# Altium PCB MKII.PcbDoc (continued)
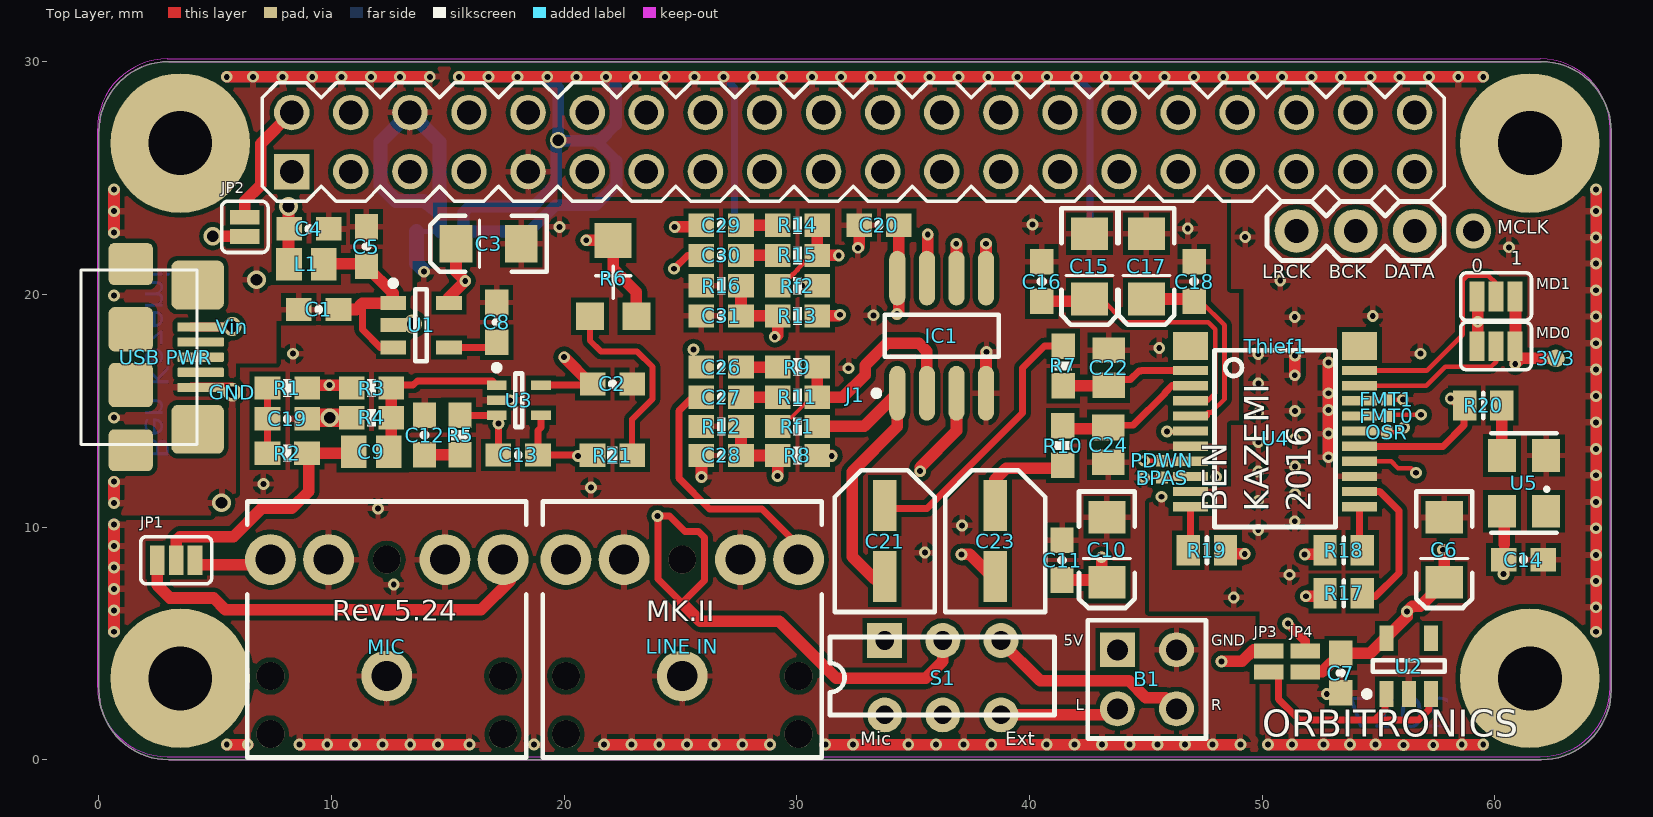
[diagram p0: Top Layer view]
## Part data (continued)
BPAS FMT0 FMT1 OSR PDWN: library part TEST-POINT2
C1 C2 C4 C5 C7 C8 C11 C12 C13 C14 C16 C18 C19 C20 C26 C27 C28 C29 C30 C31: library part 0.1UF-25V-5%(0603)
C3 C6 C10 C15 C17: library part CAP_POL1206, "Capacitor PolarizedThese are standard SMD and PTH capacitors. Normally 10uF, 47uF, and 100uF in electrolytic and tantalum varieties. Always verify the external diameter of the through hole cap, it varies with capacity, voltage, and manufacturer. The EIA devices should be standard."
C9 C22 C24: library part CAP0805
C21 C23: library part CAP_POLC, "Capacitor PolarizedThese are standard SMD and PTH capacitors. Normally 10uF, 47uF, and 100uF in electrolytic and tantalum varieties. Always verify the external diameter of the through hole cap, it varies with capacity, voltage, and manufacturer. The EIA devices should be standard."
IC1: library part OPAMP-DUALU
JP1 MD0 MD1: library part JUMPER-PAD-3-2OF3_NC_BY_PASTE
JP2: library part JUMPER-PAD-2-NC_BY_PASTEFULL-BOX-SILK
JP3 JP4 JP5 JP6 JP7 JP8 JP9 JP10: library part JUMPER-PAD-2-NO
L1: library part INDUCTOR0805, "Inductors   Basic Inductor/Choke - 0603 and 1206. Footprints are not proven and vary greatly between part numbers. INDUCTOR POWER 3.3UH 4.0A SMD 0.197\" L x 0.197\" W x 0.177\" H (5.00mm x 5.00mm x 4.50mm)"
"LINE IN" MIC: library part AUDIO-JACK2PTH
"LRCK   BCK   DATA": library part M03PTH
MCLK: library part TEST-POINT3X5, "TEST-POINT3X5"
R1 R2: library part 2.0KOHM1/10W5%(0603)
R3 R4 R7 R8 R9 R10 R11 R12 R13 R14 R15 R16 Rf1 Rf2: library part RESISTOR0603, "ResistorBasic schematic elements and footprints for 0603, 1206, and PTH resistors."
R5 R21: library part RESISTOR0603-RES
R6: library part RPot, "Potentiometer"
R17 R18 R19 R20: library part RESISTOR0805-RES
S1: library part SWITCH-DPDTPTH1
Thief1: library part "Solder Thief SOP"
U1: library part TPS793475DBVR, "Single Output High PSRR LDO, 200 mA, Fixed 4.75 V Output, 2.7 to 5.5 V Input, 5-pin SOT-23 (DBV), -40 to 85 degC, Green (RoHS & no Sb/Br)"
U2: library part MIC52053.3V
U3: library part OPA344, "Single gate rail-to-rail output op-amp. Inputs extend 300mV past rails."
U4: library part PCM1803SMD, "24-bit ADC"
U5: library part OSCILLATORSMD6
"USB PWR": library part MicroUSB-HRS-ZX62-AB-5PA

## Via types
v1: diameter 0.508, hole 0.254, Top Layer to Bottom Layer, tented both sides, 203 vias
v2: diameter 0.8, hole 0.5, Top Layer to Bottom Layer, tented both sides, 6 vias
v3: diameter 0.8, hole 0.5, Top Layer to Bottom Layer, tented bottom, 2 vias
v4: diameter 0.711, hole 0.508, Top Layer to Bottom Layer, tented both sides, 1 vias
v5: diameter 0.457, hole 0.254, Top Layer to Bottom Layer, tented both sides, 1 vias
v6: diameter 1.5, hole 0.9, Top Layer to Bottom Layer, 1 vias

## Nets (pads, with @x,y where several pads share a name; then routed paths per layer and width w, separated by ;. In a path a pad name is that pad's centre, name@x,y a point inside that pad or via, vN(x,y) a via of type N, cw(c..) or ccw(c..) an arc to the next point about the centre after c; other vN are vias at no path point)
3V3: 3V3.P$1 C6.A C7.1 C14.1 FMT0.P$1 JP4.1 MD0.3 MD1.1 U2.5 U4.14 U4.17 U5.4 | length 21.4
  Top Layer w0.2: U4.14 55.537,12.825 55.837,12.525 56.411,12.525 v1(56.605,12.331) ; U4.17 FMT0.P$1 ; FMT0.P$1 55.35,14.832 56.818,14.832 v1(56.825,14.825)
  Top Layer w0.5: JP4.1 52.584,3.775 53.384,4.575 54.65,4.575 56.225,6.15 v1(56.225,6.375) 56.45,6.6 56.8,6.6 C6.A 57.825,8.975 v1(57.775,9.025) ; U5.4 60.4,10.575 60.4,9.25 ; v1(60.375,7.975) C14.1@60.375,8.9 ; v1(60.875,17) v1@60.888,17.013 ; MD1.1@60.888,19.733 v1@60.888,17.013 ; 3V3.P$1 61.125,17.25 v1@60.888,17.013
5V: B1.1 C2.1 C3.A C10.A C11.1 C20.1 IC1.8 JP3.2 PDWN.P$1 R1.1 R3.2 R8.2 R13.2 U1.5 U3.5 U4.5 U4.7 | length 22.2
  Top Layer w0.2: v1(44.925,12.85) PDWN.P$1 U4.7@46.9,12.85 ; v1(45.902,14.101) U4.5@46.655,14.101
  Top Layer w0.3: R1.1@8.949,16.078 R1.1@8.968,16.096 ; U3.5 21.17,16.1 C2.1
  Top Layer w0.5: R1.1@8.968,16.096 v1(9.906,16.096) R3.2@10.876,16.096 ; U1.5 15.05,19.875 v1(15.75,20.575) 15.35,20.975 C3.A ; v1(20,17.3) 21.15,16.15 C2.1 ; R8.2 v1@31.5,13.075 ; R13.2 v1@31.775,19.075 ; v1(34.3,19.15) 34.375,19.225 C20.1 ; C11.1 43.225,7.725 43.325,7.825 43.1,8.05 v1(43.1,8.7) ; v1(48.25,4.225) 49.132,4.225 49.632,4.725 JP3.2@50.275,4.725
  other v1: 31.5,13.05 31.85,19.125
AGND: "LINE IN.RSH" "LINE IN.SLEEVE" "LINE IN.TSH" "Vin - A GND TIE.1" B1.3 BPAS.P$1 C2.2 C3.C C8.2 C10.C C11.2 C12.2 C15.C C16.2 C17.C C18.2 C19.2 C20.2 C22.2 C24.2 C28.2 C31.2 IC1.4 JP5.1 JP6.1 JP7.1 JP8.1 JP9.1 JP10.1 MIC.RSH MIC.SLEEVE MIC.TSH R4.1 R12.1 R16.1 U3.2 U4.6 U4.8 | length 166.1
  Top Layer w0.2: v1(44.925,12.125) BPAS.P$1@45.65,12.125 ; BPAS.P$1 U4.8@46.875,12.125
  Top Layer w0.3: U3.2 v1(17.675,15.45)
  Top Layer w0.5: v1(0.65,5.5) v1@0.65,6.2 ; v1(0.65,10.107) v1(0.65,9.186) v1(0.65,8.264) 0.65,7.879 ; v1(5.5,0.65) v1(6.4,0.65) ; v1(8.628,0.65) v1(9.818,0.65) v1(11.007,0.65) v1(12.196,0.65) v1(13.385,0.65) v1(14.574,0.65) v1@15.764,0.65 ; v1(21.71,0.65) v1(22.899,0.65) v1(24.088,0.65) v1(25.277,0.65) v1(26.466,0.65) v1(27.656,0.65) v1(28.845,0.65) ; v1(25.9,12.15) C28.2 ; v1(31.223,0.65) v1(32.412,0.65) 33.602,0.65 v1(34.791,0.65) v1(35.98,0.65) v1(37.169,0.65) v1(38.358,0.65) 39.548,0.65 v1(40.737,0.65) v1(41.926,0.65) v1(43.115,0.65) v1(44.304,0.65) v1(45.494,0.65) v1(46.683,0.65) v1(47.872,0.65) v1(49.061,0.65) ; v1(32.625,22) 32.675,22.05 C20.2 ; IC1.4 38.13,17.505 v1(38.15,17.525) ; v1@0.65,6.2 0.65,7.039 ; v1@0.65,6.2 v1(0.65,6.421) 0.65,7.039 ; 0.65,7.039 0.65,7.879 ; 0.65,7.039 v1(0.65,7.343) 0.65,7.879
  Top Layer w0.8: C19.2@8.949,14.702 R4.1
  Layer 2 w0.5: v1(0.65,5.5) 0.65,6.2 0.65,7.039 0.65,7.879 v1(0.65,8.264) v1(0.65,9.186) v1(0.65,10.107) ; v1(5.5,0.65) v1(6.4,0.65) ; v1@8.653,0.625 v1@15.925,0.625 ; v1(21.71,0.65) v1(22.899,0.65) v1(24.088,0.65) v1(25.277,0.65) v1(26.466,0.65) v1(27.656,0.65) v1(28.845,0.65) ; v1(31.223,0.65) v1(32.412,0.65) 33.602,0.65 v1(34.791,0.65) v1(35.98,0.65) v1(37.169,0.65) v1(38.358,0.65) 39.548,0.65 v1(40.737,0.65) v1(41.926,0.65) v1(43.115,0.65) v1(44.304,0.65) v1(45.494,0.65) v1(46.683,0.65) v1(47.872,0.65) v1(49.061,0.65)
  Layer 3 w0.5: v1(0.65,5.5) v1@0.65,6.2 ; v1(0.65,10.107) v1(0.65,9.186) v1(0.65,8.264) ; v1(5.5,0.65) v1(6.4,0.65) ; v1@8.653,0.625 v1@15.925,0.625 ; v1@21.623,0.65 v1(21.71,0.65) v1(22.899,0.65) v1(24.088,0.65) v1(25.277,0.65) v1(26.466,0.65) v1(27.656,0.65) v1(28.845,0.65) ; v1(31.223,0.65) v1(32.412,0.65) 33.602,0.65 v1(34.791,0.65) v1(35.98,0.65) v1(37.169,0.65) v1(38.358,0.65) 39.548,0.65 v1(40.737,0.65) v1(41.926,0.65) v1(43.115,0.65) v1(44.304,0.65) v1(45.494,0.65) v1(46.683,0.65) v1(47.872,0.65) v1(49.061,0.65) ; v1@0.65,6.2 0.65,7.039 ; v1@0.65,6.2 v1(0.65,6.421) 0.65,7.039 ; 0.65,7.039 v1(0.65,8.264) ; 0.65,7.039 v1(0.65,7.343) v1(0.65,8.264)
  Bottom Layer w0.5: v1(0.65,5.5) v1@0.65,6.2 ; v1(0.65,10.107) v1(0.65,9.186) v1(0.65,8.264) 0.65,7.879 ; v1(5.5,0.65) v1(6.4,0.65) ; v1(8.628,0.65) v1(9.818,0.65) v1(11.007,0.65) v1(12.196,0.65) v1(13.385,0.65) v1(14.574,0.65) v1@15.764,0.65 ; v1(21.71,0.65) v1(22.899,0.65) v1(24.088,0.65) v1(25.277,0.65) v1(26.466,0.65) v1(27.656,0.65) v1(28.845,0.65) ; v1(31.223,0.65) v1(32.412,0.65) 33.602,0.65 v1(34.791,0.65) v1(35.98,0.65) v1(37.169,0.65) v1(38.358,0.65) 39.548,0.65 v1(40.737,0.65) v1(41.926,0.65) v1(43.115,0.65) v1(44.304,0.65) v1(45.494,0.65) v1(46.683,0.65) v1(47.872,0.65) v1(49.061,0.65) ; v1@0.65,6.2 0.65,7.039 ; v1@0.65,6.2 v1(0.65,6.421) 0.65,7.039 ; 0.65,7.039 0.65,7.879 ; 0.65,7.039 v1(0.65,7.343) 0.65,7.879
  Bottom Layer w0.635: 13.658,22.7 13.658,21.342 v1@13.925,21.075
  other v1: 15.925,0.65 18.7,0.65 12.675,7.525 35.5,8.9 37.102,10.073 12,10.8 21.15,11.7 7.075,11.85 48.025,12.15 32.225,16.825 8.35,17.45 45.575,17.7 33.3,19.1 13.975,20.975 46.8,22.825 19.8,22.9 40.125,23
  other v2: 9.931,14.702
AUDIOIN_L_LINE: "LINE IN.TIP" C27.1 | length 11.1
  Top Layer w0.3: C27.1 25.506,15.575 24.925,14.994 24.925,12.1 26.25,10.775 28.501,10.775 30.075,9.201 30.075,8.6
AUDIOIN_R_LINE: "LINE IN.RING" C30.1 | length 16.7
  Top Layer w0.3: v1(24.725,21.1) 25.3,21.675 C30.1
  Layer 3 w0.5: 20.075,8.6 20.075,10.498 20.57,10.993 21.443,10.993 21.857,11.407 21.857,18.907 24.05,21.1 v1(24.725,21.1)
BCK: "LRCK   BCK   DATA.2" J1.12 R18.2 | length 52.6
  Top Layer w0.5: v1(51.825,8.825) R18.2@52.6,8.825
  Layer 3 w0.3: J1.12 22.23,26.575 51.837,26.575 52.8,25.612 52.8,24.5 54.015,23.285 54.015,22.725 50.7,19.41 50.7,9.95 v1(51.825,8.825)
"DAUGHTER LEFT": B1.2 S1.6 | length 5.1
  Top Layer w0.5: S1.6 43.515,1.925 B1.2
"DAUGHTER RIGHT": B1.4 S1.3 | length 8.8
  Top Layer w0.5: S1.3 38.775,5.075 40.462,3.388 44.273,3.388 44.996,2.666 45.834,2.666 B1.4
DGND: "DGND - VinGnd TIE.1" C6.C C7.2 C14.2 FMT1.P$1 JP6.2 JP7.2 JP9.2 JP10.2 MD0.1 MD1.3 OSR.P$1 U2.2 U4.9 U4.13 U4.16 U4.18 U5.2 | length 365.3
  Top Layer w0.2: v1(45.675,11.3) v1@45.7,11.325 ; U4.16 54.225,14.075 OSR.P$1 55.9,14.075 v1(56.1,14.275) ; U4.18@54.225,15.475 v1(56.05,15.475)
  Top Layer w0.3: U4.18 U4.18@54.225,15.475
  Top Layer w0.5: v1(15.475,29.35) v1(16.75,29.35) v1(18,29.35) v1(19.275,29.35) v1(20.525,29.35) v1(21.8,29.35) v1(23.05,29.35) v1(24.325,29.35) v1(25.6,29.35) v1(26.85,29.35) v1(28.125,29.35) v1(29.375,29.35) v1(30.65,29.35) v1(31.9,29.35) v1(33.175,29.35) v1(34.425,29.35) v1(35.7,29.35) v1(36.95,29.35) v1(38.225,29.35) v1(39.475,29.35) v1(40.75,29.35) v1(42.025,29.35) v1(43.275,29.35) v1(44.55,29.35) v1(45.8,29.35) v1(47.075,29.35) v1(48.325,29.35) v1(49.6,29.35) v1(50.85,29.35) v1(52.125,29.35) v1(53.375,29.35) v1(54.65,29.35) v1(55.9,29.35) v1(57.175,29.35) v1(58.425,29.35) v1(59.5,29.35) ; v1(50.25,0.65) 51.44,0.65 v1(52.629,0.65) v1(53.775,0.65) v1(54.875,0.65) v1(58.575,0.65) v1(59.5,0.65) ; v1@51.404,16.529 v1(51.404,17.375) ; v1(52.85,13) v1(52.85,17.075) ; MD0.1@59.262,17.604 MD1.3@59.262,19.908 ; v1(64.35,5.5) v1(64.35,6.55) v1(64.35,7.675) v1(64.35,8.8) v1(64.35,9.95) v1(64.35,11.075) v1(64.35,12.225) v1(64.35,13.35) v1(64.35,14.5) v1(64.35,15.625) v1(64.35,16.775) v1(64.35,17.9) v1(64.35,19.05) v1(64.35,20.175) v1(64.35,21.325) v1(64.35,22.45) v1(64.35,23.575) v1(64.35,24.5)
  Layer 2 w0.5: v1(15.475,29.35) v1(16.75,29.35) v1(18,29.35) v1(19.275,29.35) v1(20.525,29.35) v1(21.8,29.35) v1(23.05,29.35) v1(24.325,29.35) v1(25.6,29.35) v1(26.85,29.35) v1(28.125,29.35) v1(29.375,29.35) v1(30.65,29.35) v1(31.9,29.35) v1(33.175,29.35) v1(34.425,29.35) v1(35.7,29.35) v1(36.95,29.35) v1(38.225,29.35) v1(39.475,29.35) v1(40.75,29.35) v1(42.025,29.35) v1(43.275,29.35) v1(44.55,29.35) v1(45.8,29.35) v1(47.075,29.35) v1(48.325,29.35) v1(49.6,29.35) v1(50.85,29.35) v1(52.125,29.35) v1(53.375,29.35) v1(54.65,29.35) v1(55.9,29.35) v1(57.175,29.35) v1(58.425,29.35) v1(59.5,29.35) ; v1(50.25,0.65) 51.44,0.65 v1(52.629,0.65) 53.818,0.65 55.007,0.65 56.197,0.65 57.386,0.65 v1(58.575,0.65) v1(59.5,0.65) ; v1@51.404,16.529 v1(51.404,17.375) ; v1(52.85,13) v1(52.85,15.75) ; v1(64.35,5.5) v1(64.35,6.55) v1(64.35,7.675) v1(64.35,8.8) v1(64.35,9.95) v1(64.35,11.075) v1(64.35,12.225) v1(64.35,13.35) v1(64.35,14.5) v1(64.35,15.625) v1(64.35,16.775) v1(64.35,17.9) v1(64.35,19.05) v1(64.35,20.175) v1(64.35,21.325) v1(64.35,22.45) v1(64.35,23.575) v1(64.35,24.5)
  Layer 3 w0.5: v1(15.475,29.35) v1(16.75,29.35) v1(18,29.35) v1(19.275,29.35) v1(20.525,29.35) v1(21.8,29.35) v1(23.05,29.35) v1(24.325,29.35) v1(25.6,29.35) v1(26.85,29.35) v1(28.125,29.35) v1(29.375,29.35) v1(30.65,29.35) v1(31.9,29.35) v1(33.175,29.35) v1(34.425,29.35) v1(35.7,29.35) v1(36.95,29.35) v1(38.225,29.35) v1(39.475,29.35) v1(40.75,29.35) v1(42.025,29.35) v1(43.275,29.35) v1(44.55,29.35) v1(45.8,29.35) v1(47.075,29.35) v1(48.325,29.35) v1(49.6,29.35) v1(50.85,29.35) v1(52.125,29.35) v1(53.375,29.35) v1(54.65,29.35) v1(55.9,29.35) v1(57.175,29.35) v1(58.425,29.35) v1(59.5,29.35) ; v1@49.85,9.875 v1@49.85,17.425 ; v1(50.25,0.65) 51.44,0.65 v1(52.629,0.65) 53.818,0.65 55.007,0.65 56.197,0.65 57.386,0.65 v1(58.575,0.65) v1(59.5,0.65) ; v1(51.4,10.25) v1(51.4,19.025) ; v1(52.85,13) v1(52.85,17.075) ; v1(64.35,5.5) v1(64.35,6.55) v1(64.35,7.675) v1(64.35,8.8) v1(64.35,9.95) v1(64.35,11.075) v1(64.35,12.225) v1(64.35,13.35) v1(64.35,14.5) v1(64.35,15.625) v1(64.35,16.775) v1(64.35,17.9) v1(64.35,19.05) v1(64.35,20.175) v1(64.35,21.325) v1(64.35,22.45) v1(64.35,23.575) v1(64.35,24.5)
  Bottom Layer w0.3: v1(26.85,29.35) 27.33,28.87 JP9.2 ; v1(42.025,29.35) 42.596,28.779 JP10.2
  Bottom Layer w0.5: v1(15.475,29.35) v1(16.75,29.35) v1(18,29.35) v1(19.275,29.35) ; v4@19.665,26.544 19.665,25.89 19.665,24.772 18.669,23.775 15.925,23.775 15.674,23.524 15.674,22.7 18.5,22.7 19.625,23.825 21.35,23.825 22.25,24.725 22.25,25.734 21.434,26.55 21.384,26.6 ; v1(50.25,0.65) 51.44,0.65 v1(52.629,0.65) 53.818,0.65 55.007,0.65 56.197,0.65 57.386,0.65 v1(58.575,0.65) v1(59.5,0.65) ; v1@51.404,16.529 v1(51.404,17.375) ; v1(52.85,13) v1(52.85,15.75) ; v1(59.5,29.35) v1(58.425,29.35) v1(57.175,29.35) v1(55.9,29.35) v1(54.65,29.35) v1(53.375,29.35) v1(52.125,29.35) v1(50.85,29.35) v1(49.6,29.35) v1(48.325,29.35) v1(47.075,29.35) v1(45.8,29.35) v1(44.55,29.35) v1(43.275,29.35) v1(42.025,29.35) v1(40.75,29.35) v1(39.475,29.35) v1(38.225,29.35) v1(36.95,29.35) v1(35.7,29.35) v1(34.425,29.35) v1(33.175,29.35) v1(31.9,29.35) v1(30.65,29.35) v1(29.375,29.35) v1(28.125,29.35) v1(26.85,29.35) v1(25.6,29.35) v1(24.325,29.35) v1(23.05,29.35) v1(21.8,29.35) ; v1(64.35,5.5) v1(64.35,6.55) v1(64.35,7.675) v1(64.35,8.8) v1(64.35,9.95) v1(64.35,11.075) v1(64.35,12.225) v1(64.35,13.35) v1(64.35,14.5) v1(64.35,15.625) v1(64.35,16.775) v1(64.35,17.9) v1(64.35,19.05) v1(64.35,20.175) v1(64.35,21.325) v1(64.35,22.45) v1(64.35,23.575) v1(64.35,24.5) ; v1(19.275,29.35) 19.747,28.878 v4(19.747,26.625) 19.772,26.6 21.384,26.6 ; v1(19.275,29.35) v1(20.525,29.35) v1(21.8,29.35) ; 21.384,26.6 21.525,26.6 22.225,27.3 22.225,28.925 v1(21.8,29.35)
  other v1: 56.075,0.625 57.35,0.625 51.275,0.65 52.775,2.825 48.775,6.975 51.175,7.95 49.829,9.875 49.833,11.129 51.404,11.413 49.833,12.388 51.404,12.606 49.833,13.646 51.404,13.798 52.846,14.015 49.833,14.904 51.404,14.99 52.846,15.033 49.833,16.163 51.4,16.525 49.829,17.425 56.8,17.45 59.262,18.821 54.75,19.075 50.775,20.6 60.604,22.022 49.268,22.464
DOUT: "LRCK   BCK   DATA.3" J1.38 R17.2 | length 28.3
  Top Layer w0.5: v1(51.875,7.025) R17.2@52.625,7.025
  Layer 3 w0.3: v1(51.875,7.025) 53.175,8.325 53.175,9.85 52.175,10.85 52.175,18.64 54.035,20.5 55.15,20.5 56.555,21.905 56.555,23.02 57.775,24.24 57.775,26.15 57.4,26.525 55.3,26.525 J1.38
"DPDT OUT LEFT": C26.1 S1.5 | length 23.7
  Layer 3 w0.5: v1(25.558,17.625) 25.558,15.417 27.2,13.775 27.2,11.6 27.925,10.875 31.7,10.875 36.247,6.328 36.773,6.328 37.478,5.623 37.478,4.627 36.275,3.423 S1.5
"DPDT OUT RIGHT": C29.1 S1.2 | length 39.1
  Top Layer w0.3: v1(24.012,10.477) 24.522,10.477 25.199,9.8 25.775,9.8 26.028,9.547 26.028,7.703 25.1,6.775 25.1,6.7 24.025,7.775 24.025,9.725 v1@24.025,10.464
  Top Layer w0.5: v1(24.75,22.9) 25.825,22.9 C29.1 ; 25.1,6.7 25.85,5.95 29.25,5.95 31.7,3.5 35.541,3.5 36.275,4.234 S1.2
  Layer 3 w0.5: v1(24.012,10.477) 24.012,17.962 26.45,20.4 26.45,21.625 25.175,22.9 v1(24.75,22.9)
INTO_BPF_L: C21.- IC1.1 Rf1.1 | length 13.6
  Top Layer w0.5: Rf1.1 32.895,14.325 IC1.1 34.32,14.32 32.375,12.375 32.375,8.722 33.346,7.751 C21.-@33.75,7.751
INTO_BPF_R: C23.- IC1.7 Rf2.1 | length 32.6
  Top Layer w0.5: v5(30.225,20.375) Rf2.1 ; IC1.7 35.625,20.735 v1(35.625,22.575) ; v1(37.075,8.825) 37.426,8.825 C23.-@38.5,7.751
  Layer 3 w0.5: v1(35.625,22.575) 35.473,22.727 31.23,22.727 30.151,21.649 30.151,20.376 28.951,20.376 27.881,19.306 27.881,16.45 29.731,14.6 35.95,14.6 36.775,13.775 36.775,11.125 36.395,10.745 36.395,9.505 v1(37.075,8.825)
LRCK: "LRCK   BCK   DATA.1" J1.35 R19.2 | length 18.2
  Top Layer w0.5: R19.2@48.525,8.85 v1(49.25,8.85)
  Layer 3 w0.3: v1(49.25,8.85) 49.05,9.05 49.05,20.3 51.475,22.725 51.475,25.27 J1.35
MAX_IN+: C9.2 R3.1 R4.2 U3.1 | length 7.5
  Top Layer w0.3: R3.1@12.576,16.03 12.646,16.1 13.51,16.1 13.688,16.278 16.922,16.278 U3.1
  Top Layer w0.5: C9.2@12.509,13.331 12.576,13.397 12.576,16.03 R3.1@12.576,16.096
MAX_IN-: C13.1 R5.1 R6.2 R6.3 U3.3 | length 17.7
  Top Layer w0.3: R5.1 U3.3 17.175,14.725 C13.1
  Top Layer w0.5: v1(20.95,22.325) 22.059,22.325 22.104,22.279 22.104,21.096 23.1,20.1 23.1,19.064 R6.3
  Layer 3 w0.5: v1(17.175,14.45) 16.95,14.675 16.95,17.785 20.95,21.785 v1(20.95,22.325)
MAX_OUT: C13.2 R21.2 S1.1 S1.4 U3.4 | length 46.5
  Top Layer w0.3: U3.4 19,14.276 18.872,14.148 18.872,13.103 C13.2 R21.2@21.426,13.1
  Layer 3 w0.3: 13.328,6.947 13.328,10.278 12.603,9.553 11.98,9.553 11.422,8.995 11.422,7.919 12.541,6.8 13.475,6.8
  Layer 3 w0.5: 13.328,6.947 14.55,5.725 33.175,5.725 S1.1 ; 13.328,10.203 14.15,11.025 18.574,11.025 v1(20.599,13.05)
  Layer 3 w1: S1.4 S1.1
MD0: MD0.2 U4.19 | length 7
  Top Layer w0.2: U4.19 57.048,16.075 57.864,16.89 59.832,16.89 60.05,17.108 MD0.2
MD1: MD1.2 U4.20 | length 9.8
  Top Layer w0.2: U4.20 57.075,16.725 58.617,18.267 58.617,20.598 ; 58.617,20.598 58.815,20.796 59.723,20.796 60.05,20.468 MD1.2
  Top Layer w0.3: MD1.2@60.075,19.733 MD1.2@60.075,19.908
MIC_A: C9.1 JP1.2 R2.2 | length 11.1
  Top Layer w0.5: JP1.2@3.325,8.375 3.325,9.425 3.487,9.587 5.787,9.587 7,10.8 8.3,10.8 9.025,11.525 9.025,13.175 C9.1@10.854,13.175
NetC1_1: C1.1 C5.1 L1.2 U1.1 U1.3 | length 8.6
  Top Layer w0.3: 11.325,19.625 11.325,18.495 12.095,17.725 U1.3@12.375,17.725
  Top Layer w0.5: L1.2@9.875,21.323 11.402,21.323 C5.1@11.5,21.225 ; C1.1 11.059,19.35 11.33,19.62 12.37,19.62 U1.1@12.512,19.762 ; C5.1 12.65,20.05 U1.1
NetC8_1: C8.1 U1.4 | length 2.1
  Top Layer w0.3: U1.4 16.875,17.725 C8.1
NetC12_1: C12.1 R5.2 | length 1.5
  Top Layer w0.5: C12.1 R5.2
NetC15_A: C15.A C16.1 U4.3 | length 11.7
  Top Layer w0.2: C15.A 43.096,19.8 44.099,18.797 47.682,18.797 47.978,18.501 47.978,15.749 47.654,15.425 U4.3
  Top Layer w0.5: C16.1@40.675,19.7 C15.A@42.475,19.7
NetC17_A: C17.A C18.1 U4.4 | length 8.7
  Top Layer w0.2: U4.4 47.654,14.775 47.654,14.922 47.801,14.922 48.381,15.503 48.381,18.668 47.349,19.7 C18.1 C18.1@46.925,19.7
  Top Layer w0.5: C17.A C18.1@46.825,19.8
NetC19_1: C19.1 R1.2 R2.1 | length 2.9
  Top Layer w0.3: R2.1 7.25,14.702 R1.2@7.25,16.078
NetC21_+: C21.+ R7.1 | length 12.1
  Top Layer w0.3: C21.+@33.75,10.799 35.599,10.799 39.7,14.9 39.7,16.834 40.641,17.775 R7.1@41.8,17.775
NetC23_+: C23.+ R10.1 | length 4.4
  Top Layer w0.5: C23.+@38.5,10.799 38.5,11.5 38.5,12.025 39,12.525 R10.1@41.425,12.525
NetC26_2: C26.2 R9.2 | length 1.6
  Top Layer w0.5: C26.2 R9.2
NetC27_2: C27.2 R11.2 | length 1.6
  Top Layer w0.5: C27.2 R11.2
NetC28_1: C28.1 IC1.3 R8.1 R12.2 | length 13.9
  Top Layer w0.5: R12.2 C28.1 R8.1 v1(29.175,12.2) ; v1(35.3,12.4) 35.3,12.575 36.86,14.135 IC1.3
  Layer 3 w0.5: v1(29.175,12.2) 35.1,12.2 v1(35.3,12.4)
NetC29_2: C29.2 R14.2 | length 1.6
  Top Layer w0.5: C29.2 R14.2
NetC30_2: C30.2 R15.2 | length 1.6
  Top Layer w0.5: C30.2 R15.2
NetC31_1: C31.1 IC1.5 R13.1 R16.2 | length 16.1
  Top Layer w0.5: R16.2 C31.1 R13.1 v1@29.175,18.25 ; IC1.5 v1@38.13,22.17
  Layer 3 w0.5: v1@29.175,18.25 34.809,18.25 38.125,21.566 v1(38.125,22.175)
  other v1: 29.05,18.175
NetIC1_2: IC1.2 R9.1 R11.1 Rf1.2 | length 11.4
  Top Layer w0.152: Rf1.2 29.37,14.325 30.005,14.959 30.005,14.962 30.618,15.575 R11.1
  Top Layer w0.5: R9.1 R11.1 31.975,15.575 32.932,16.532 32.932,16.957 33.875,17.9 35.25,17.9 35.59,17.56 IC1.2
NetIC1_6: IC1.6 R14.1 R15.1 Rf2.2 | length 12.4
  Top Layer w0.2: Rf2.2 29.198,20.375 29.198,20.583 29.526,20.583 29.815,20.872 29.851,20.872 30.028,21.049 30.028,21.085 30.618,21.675 R15.1
  Top Layer w0.5: R14.1 R15.1 v1(31.8,21.675) ; IC1.6 v1@36.86,22.165
  Layer 3 w0.5: v1(31.8,21.675) 33.1,20.375 35.05,20.375 v1(36.85,22.175)
NetJP1_1: JP1.1 MIC.TIP | length 18.1
  Top Layer w0.5: JP1.1 2.512,7.493 3.052,6.953 4.93,6.953 5.44,6.443 16.423,6.443 17.675,7.695 MIC.TIP@17.675,8.625
NetJP1_3: JP1.3 MIC.RING | length 3.6
  Top Layer w0.5: JP1.3@4.138,8.375 7.425,8.375 MIC.RING@7.675,8.625
NetJP3_1: JP3.1 U2.1 U2.3 | length 10.2
  Top Layer w0.3: JP3.1@50.7,3.825 50.7,2.6 51.6,1.7 54.825,1.7 ; U2.1@55.275,2.8 55.275,2.15 54.825,1.7 ; U2.3@57.175,2.8 57.175,2.15 56.725,1.7 54.825,1.7
NetR6_1: R6.1 R21.1 | length 8.4
  Top Layer w0.254: R6.1 21.104,18.021 21.575,17.55 23.125,17.55 23.8,16.875 23.8,15.513 22.919,14.633 R21.1
NetR17_1: R17.1 U4.12 | length 6.6
  Top Layer w0.3: U4.12 55.05,11.525 55.875,10.7 55.875,8.025 54.875,7.025 R17.1@54.425,7.025
NetR18_1: R18.1 U4.11 | length 2.1
  Top Layer w0.3: U4.11 54.175,9.05 R18.1@54.4,8.825
NetR19_1: R19.1 U4.10 | length 2.1
  Top Layer w0.3: R19.1@46.725,8.85 46.925,9.05 U4.10
NetR20_2: R20.2 U5.3 | length 1.9
  Top Layer w0.5: R20.2@60.275,14.95 60.3,14.925 U5.3
PI_3V3: J1.1 JP4.2 | length 62.6
  Top Layer w0.4: v1(51.1,5.85) 51.85,5.1 JP4.2
  Layer 3 w0.4: J1.1 8.871,25.275 10.472,23.675 47.46,23.675 47.8,23.335 47.8,23.32 47.876,23.244 47.876,13.501 47.3,12.925 47.3,7.175 48.625,5.85 v1(51.1,5.85)
PIPWR: J1.2 JP2.1 | length 5.3
  Top Layer w0.5: JP2.1 6.275,24.013 6.953,24.691 6.953,26.478 J1.2
SCK: MCLK.P$1 R20.1 U4.15 | length 13.9
  Top Layer w0.3: U4.15 54.182,13.468 57.768,13.468 58.675,14.375 58.675,14.95 58.675,14.954 v1(58.1,15.529)
  Layer 3 w0.3: v1(58.1,15.529) 58.1,21.75 v6(59.075,22.725)
V_IN: "USB PWR.1" C4.1 JP2.2 L1.1 Vin.P$1 | length 5.9
  Top Layer w0.4: 3.975,18.6 5.722,18.6 v3(5.74,18.618)
  Top Layer w0.5: v2(4.9,22.5) 6.437,22.5 JP2.2@6.462,22.475 ; v2(8.153,23.774) 8.153,21.544 L1.1@8.375,21.323
VIN_GND: "DGND - VinGnd TIE.2" "USB PWR.5" "Vin - A GND TIE.2" C1.2 C4.2 C5.2 GND.P$1 J1.6 J1.9 JP5.2 JP8.2 U1.2 | length 68.8
  Top Layer w0.3: U1.2@12.425,18.625 U1.2@12.65,18.625
  Top Layer w0.4: 3.977,16.002 GND.P$1@5.74,16.002
  Top Layer w0.5: v1@0.65,11.236 v1(0.65,11.95) ; v1(0.65,22.65) v1(0.65,23.575) v1(0.65,24.5) ; v1(5.5,29.35) v1(6.625,29.35) v1(7.9,29.35) v1(9.175,29.35) v1(10.425,29.35) v1(11.7,29.35) v1(12.95,29.35) v1(14.225,29.35) ; C5.2@11.433,22.966 C5.2 ; U1.2@12.65,18.625 12.75,18.725 v2(13.5,18.725)
  Layer 2 w0.5: v1@0.65,11.236 v1(0.65,11.95) ; v1(0.65,22.65) v1(0.65,23.575) v1(0.65,24.5) ; v1(5.5,29.35) v1(6.625,29.35) v1(7.9,29.35) v1(9.175,29.35) v1(10.425,29.35) v1(11.7,29.35) v1(12.95,29.35) v1(14.225,29.35)
  Layer 3 w0.5: v1@0.65,11.236 v1(0.65,11.95) ; v1(0.65,22.65) v1(0.65,23.575) v1(0.65,24.5) ; v1(5.5,29.35) v1(6.625,29.35) v1(7.9,29.35) v1(9.175,29.35) v1(10.425,29.35) v1(11.7,29.35) v1(12.95,29.35) v1(14.225,29.35) ; v2(6.775,20.625) 7.175,20.225 12.328,20.225 v2@13.487,19.066
  Bottom Layer w0.5: v1@0.65,11.236 v1(0.65,11.95) ; v1(0.65,22.65) v1(0.65,23.575) v1(0.65,24.5) ; v1(5.5,29.35) v1(6.625,29.35) v1(7.9,29.35) v1(9.175,29.35) v1(10.425,29.35) v1(11.7,29.35) v1(12.95,29.35) v1(14.225,29.35)
  Bottom Layer w0.6: 14.635,24.686 14.635,25.864 ; 14.642,24.061 14.642,26.543 J1.6 12.105,26.55 12.105,24.686 12.781,24.01 13.96,24.01 14.674,23.476 14.674,24.028 ; 14.674,22.7 14.674,23.306
  other v1: 0.65,11.029 0.65,14.7 0.65,19.95
  other v2: 5.275,11.05
  other v3: 5.74,15.8
VINL_B: C22.1 R7.2 U4.1 | length 5.4
  Top Layer w0.3: C22.1@43.4,15.925 43.812,16.337 44.343,16.337 44.343,16.352 44.698,16.707 44.793,16.707 44.818,16.732 46.918,16.732 U4.1
  Top Layer w0.5: R7.2@41.8,16.075 C22.1@43.325,16.075
VINR_B: C24.1 R10.2 U4.2 | length 5.7
  Top Layer w0.3: C24.1@43.375,14.375 44.45,14.375 45.822,15.747 45.822,15.771 46.125,16.075 U4.2
  Top Layer w0.5: R10.2@41.775,14.225 C24.1@43.225,14.225
pads on no net: "LINE IN.1" "USB PWR.2" "USB PWR.3" "USB PWR.4" "USB PWR.6" "USB PWR.7" "USB PWR.8" "USB PWR.9" "USB PWR.10" "USB PWR.11" J1.0 J1.3 J1.4 J1.5 J1.7 J1.8 J1.10 J1.11 J1.13 J1.14 J1.15 J1.16 J1.17 J1.18 J1.19 J1.20 J1.21 J1.22 J1.23 J1.24 J1.25 J1.26 J1.27 J1.28 J1.29 J1.30 J1.31 J1.32 J1.33 J1.34 J1.36 J1.37 J1.39 J1.40 MIC.1 Thief1.T U2.4 U5.1

## Polygon pours and split planes (outlines as drawn)
AGND on Top Layer "AGND" (solid, remove dead copper, pour order 30): 0.016,30 47.3,30 50.875,26.425 49.925,25.475 49.925,0 -0.145,0
DGND on Top Layer "DGND" (solid, remove dead copper, pour order 18): 49.9,0 50.777,0 51.977,0 52.402,0 52.752,0 58.102,0 65,0 65,30 15.327,30 15.327,24.203 48.675,24.199 48.675,20.25 49.2,20.25 49.2,14.375 48.675,14.375 48.675,11.725 45.15,11.725 45.15,6.375 49.9,6.375
VIN_GND on Top Layer "Power Plane Vin_Gnd" (solid, remove dead copper, pour order 0): 0,30 19.7,30.001 19.7,23.95 14.35,23.95 14.35,21.45 13.475,21.45 13.475,18.3 10.625,18.3 10.625,18.875 7.625,18.875 7.625,17.048 5.881,17.048 5.881,10.5 0,10.5
DGND on Bottom Layer "DGND" (solid, remove dead copper, pour order 8): 49.675,0 49.502,0 50.077,0 50.777,0 51.977,0 52.402,0 52.752,0 58.102,0 65,0 65,30 15.327,30 15.327,24.425 15.6,24.425 19.525,24.425 47.975,24.425 47.975,11.75 44.625,11.75 44.625,6.225 49.675,6.225
VIN_GND on Bottom Layer "Vin_Gnd" (solid, remove dead copper, pour order 4): -0.05,30.125 14.575,30.125 19.15,30.125 19.15,23.725 12.625,23.725 12.625,18.875 9.7,18.875 7.7,18.875 7.7,17.125 5.95,17.125 5.95,10.45 0.004,10.45
AGND on Bottom Layer "AGND" (solid, remove dead copper, pour order 32): -0.262,28.112 1.625,30 50.179,30.51 49.629,-0.325 45.725,-0.325 38.475,-0.325 0,0
DGND on Layer 2 "DGND" (solid, remove dead copper, pour order 20): 49.502,0 50.077,0 50.777,0 51.977,0 52.402,0 52.752,0 58.102,0 65,0 65,30 15.327,30 15.327,24.425 -1878.094,24.425 48.675,24.199 48.675,11.725 44.65,11.725 44.65,6.2 49.502,6.2
VIN_GND on Layer 2 "Power Plane Vin_Gnd" (solid, remove dead copper, pour order 12): -0.005,30.023 19.725,30.024 19.725,24.05 14.345,24.05 14.345,21.473 13.47,21.473 13.47,20.598 12.1,20.598 12.1,18.898 7.62,18.898 7.62,17.071 5.951,17.071 5.951,10.425 -0.005,10.425
AGND on Layer 2 "AGND" (solid, remove dead copper, pour order 34): 0,24.818 31.5,24.818 41.093,24.818 49.775,24.818 49.775,0 8.5,0 0,0 0,13 0,9.5 0,17.828 0,13
5V on Layer 3 "5v Power Plane" (solid, remove dead copper, pour order 28): 10.197,22.8 45.875,22.8 45.875,5.175 48.925,5.175 48.925,1.984 2.083,1.875 2.083,16.285
3V3 on Layer 3 "3v3 Power Plane" (solid, remove dead copper, pour order 26): 62,23.901 62,2.3 49.7,2.3 49.7,3.825 49.7,4.975 49.7,5.4 52.15,5.4 54.225,5.4 54.225,6.275 54.225,13.25 54.225,17.439 58.686,21.9
DGND on Layer 3 "unique Gnd in Power Plane" (solid, remove dead copper, pour order 24): 51.55,6.421 48.525,6.421 48.525,8.6 48.525,24.175 15.625,24.175 15.625,30.1 61.175,30.1 61.175,21.9 61.175,21.6 60.875,21.6 58.825,21.6 58.825,15.05 54.525,15.05 54.525,7.025 54.525,6.421
V_IN on Layer 3 "Power Plane Vin_Gnd" (solid, remove dead copper, pour order 14): 2.083,28.676 19.725,28.677 19.725,24 14.35,24 14.35,21.75 13.475,21.75 13.475,18.6 10.625,18.6 10.625,19.175 7.625,19.175 7.625,17.348 5.956,17.348 5.956,10.425 2.083,10.425

## Keep-outs
Keep-Out Layer:
  the board outline again, w0.001

## Other copper
Top Layer:
  pour cut-out: 53.225,15.625 53.8,15.625 53.8,14.175 53.8,13.6 53.275,13.6 53.225,13.6 53.225,13.65
  pour cut-out: 47.575,12.525 47.925,12.525 47.925,12.425 47.925,12.375 47.925,11.721 47.571,11.721
  pour cut-out: 45.075,13.225 45.075,11.725 45.687,11.725 45.687,13.225
  pour cut-out: 55.075,15.775 55.925,15.775 55.925,13.75 55.075,13.75 55.075,13.8
Bottom Layer:
  text "Ben Kazemi" at 2,12.925 h1 r270
  text "2017" at 58.125,1.375 h1.3

## Silkscreen, mask and mechanical layers (free items; w line width, h text height)
Top Overlay:
  text "0" at 59.49,21.718 h1 r180
  text "1" at 60.675,21.075 h1
  text "BEN / KAZEMI / 2016" at 52.425,10.65 h1.8 r90
  text "Rev 5.24" at 10.025,5.675 h1.5
  text "MK.II" at 23.525,5.658 h1.5
  text "ORBITRONICS" at 50,0.6 h2
  text "Mic                   Ext" at 32.725,0.425 h1
Bottom Overlay:
  drawing of 854 lines, arcs and shapes, not listed
  text "ステレオリスナー" at 29.894,19.542 h3.5
  text "ライン•マイクロフォン•プリアンプ•ドーターボード" at 44.319,17.89 h2
  text "Stereo Listener" at 36.086,15.334 h3.5
  text "Line & Mic In w/ Pre-Amp pHAT" at 39.369,13.302 h2
  text "MIC" at 13.5,1.058 h1.5
  text "LINE IN" at 27.229,1.041 h1.5
Top Paste:
  rectangle: 59.771,16.5 61.85,18.77
  rectangle: 58.15,18.918 60.329,21.175
  rectangle: 49.45,2.775 51.35,5.75
  rectangle: 1.3,7.05 5.4,10.125
Top Solder:
  rectangle: 51.2,4.025 52.5,4.4
  rectangle: 49.625,3.95 50.925,4.375
  rectangle: 2.625,7.925 4,9.225
  rectangle: 59.55,17.129 60.7,18.429
  rectangle: 59.575,19.254 60.7,20.554
  rectangle: 5.65,22.7 6.925,22.975
  rectangle: 55.5,15.2 55.8,15.75
  rectangle: 55.5,14.5 55.8,15.05
  rectangle: 55.5,13.8 55.8,14.35
  rectangle: 45.225,12.6 45.525,13.075
  region: 45.45,12.375 45.225,12.375 45.225,11.875 45.45,11.875
Bottom Solder:
  rectangle: 2.775,9.993 4.075,10.45
  region: 6.35,13.875 6.35,15.175 5.893,15.175 5.893,13.875
  region: 27.975,22.936 26.675,22.936 26.675,22.479 27.975,22.479
  region: 43.25,23.012 41.95,23.012 41.95,22.555 43.25,22.555
  region: 47.168,19.075 47.168,17.775 47.625,17.775 47.625,19.075
  region: 44.171,9.375 44.171,8.075 44.628,8.075 44.628,9.375
  rectangle: 13.941,22.05 15.541,23.35
  text "Ben Kazemi" at 63.25,22.55 h3 r90

## Dimensions
61.95,0.125 to 61.95,30.125 on Drill Drawing
-0.05,27.125 to 64.95,27.125 on Drill Drawing

## Text inside footprints (layer, text, board x,y; h text height)
B1: Top Overlay "GND" at 47.8,4.725 h0.8; Top Overlay "R" at 47.8,1.95 h0.8; Top Overlay "L" at 41.994,1.95 h0.8; Top Overlay "5V" at 41.475,4.734 h0.8
JP1: Mechanical 16 "PASTE" at 3.388,8.13 h0.39 r40
MD0: Mechanical 16 "PASTE" at 60.114,17.335 h0.39 r40
MD1: Mechanical 16 "PASTE" at 59.987,20.353 h0.39 r220